# Altium PCB MP_PCBv2.PcbDoc (part 1 of 2) (continued)
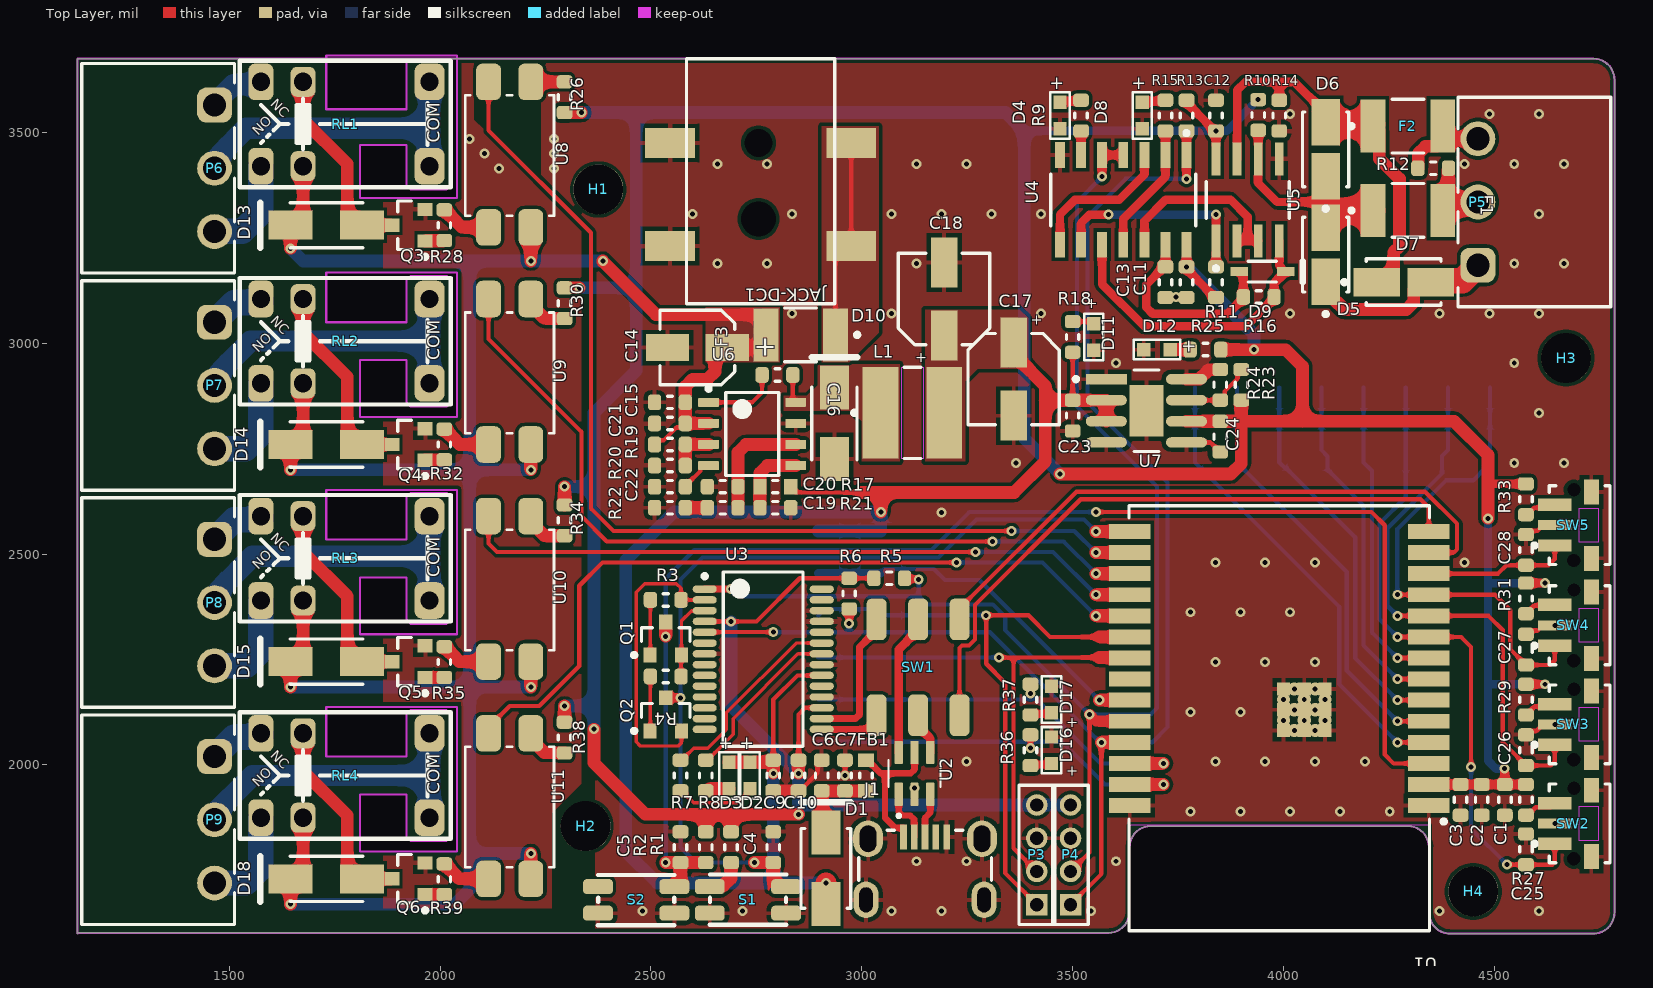
[diagram p0: Top Layer view]
## Part data
C1 C6 C24: library part CMP-001-00181-3, "CAP, size 0603, 10 uF, 10 VDC, 10%", Case/Package=0603, LCSC Part #=C19702, Manufacturer="Samsung Electro-Mechanics", Manufacturer Part Number=CL10A106KP8NNNC, Operating Temperature Max="+ 85 C", Operating Temperature Min="- 40 C", Supplier 1 Part Number=187-CL10A106KP8NNNC, Supplier 2 Part Number=1276-1192-2-ND, Supplier 3 Part Number=N/A, Tolerance=10%, Voltage Rating DC="10 VDC", Component Type=Standard, ComponentLink1Description=Datasheet, ComponentLink1URL=https://www.mouser.vn/datasheet/2/585/MLCC-1837944.pdf, Design Item ID=0106031061010, Mount=SMD/SMT, Packaging="Tape and Reel", Pins=2, Source=Capacitor_0603_10_percent.SchLib, Supplier 1 URL=https://www.mouser.vn/ProductDetail/Samsung-Electro-Mechanics/CL10A106KP8NNNC?qs=X6jEic%2FHinAlyfRHj7fKwg%3D%3D, Supplier 2 URL=https://www.digikey.com/en/products/detail/samsung-electro-mechanics/cl10a106kp8nnnc/3886850, Supplier 3 URL=https://www.thegioiic.com/tu-gom-0603-10uf-25v
C2: library part CMP-001-00177-3, "CAP, size 0603, 1 uF, 16 VDC, 10%", Case/Package=0603, LCSC Part #=C1592, Manufacturer="Samsung Electro-Mechanics", Manufacturer Part Number=CL10B105KO8NNWC, Operating Temperature Max="+ 85 C", Operating Temperature Min="- 40 C", Supplier 1 Part Number=187-CL10B105KO8NNWC, Supplier 2 Part Number=1276-CL10B105KO8NNWCTR-ND, Supplier 3 Part Number=N/A, Tolerance=10%, Voltage Rating DC="16 VDC", Component Type=Standard, ComponentLink1Description=Datasheet, ComponentLink1URL=https://www.mouser.vn/datasheet/2/585/Samsung_MLCC_1837944-1929650.pdf, Design Item ID=0106031051016, Mount=SMD/SMT, Packaging="Tape and Reel", Pins=2, Source=Capacitor_0603_10_percent.SchLib, Supplier 1 URL=https://www.mouser.vn/ProductDetail/Samsung-Electro-Mechanics/CL10B105KO8NNWC?qs=81r%252BiQLm7BT%252BXtc72qn1ug%3D%3D&utm_source=mouser-refine-download&utm_medium=file&utm_campaign=CL10B105KO8NNWC&utm_content=Samsung-Electro-Mechanics, Supplier 2 URL=https://www.digikey.com/en/products/detail/samsung-electro-mechanics/cl10b105ko8nnwc/16572783, Supplier 3 URL=https://www.thegioiic.com/tu-gom-0603-1uf-16v
C3 C4 C5 C7 C9 C10 C11 C12 C15 C16 C25 C26 C27 C28: library part CMP-001-00176-3, "CAP, size 0603, 100 nF, 50 VDC, 10%", Case/Package=0603, LCSC Part #=C14663, Manufacturer=TDK, Manufacturer Part Number=CGA3E3X8R1H104K080AE, Operating Temperature Max="+ 85 C", Operating Temperature Min="- 40 C", Supplier 1 Part Number=810-CGA3E3X8R1H104KA, Supplier 2 Part Number=445-173697-2-ND, Supplier 3 Part Number=N/A, Tolerance=10%, Voltage Rating DC="50 VDC", Component Type=Standard, ComponentLink1Description=Datasheet, ComponentLink1URL=https://product.tdk.com/system/files/dam/doc/product/capacitor/ceramic/mlcc/catalog/mlcc_automotive_soft_en.pdf?ref_disty=mouser, Design Item ID=0106031041050, Mount=SMD/SMT, Packaging="Tape and Reel", Pins=2, Source=Capacitor_0603_10_percent.SchLib, Supplier 1 URL=https://www.mouser.com/ProductDetail/TDK/CGA3E3X8R1H104K080AE?qs=nQSIdc08i%252Bd8g3IRRgU2bw%3D%3D&utm_source=mouser-refine-download&utm_medium=file&utm_campaign=CGA3E3X8R1H104K080AE&utm_content=TDK, Supplier 2 URL=https://www.digikey.com/en/products/detail/tdk-corporation/cga3e3x8r1h104k080ae/5809262, Supplier 3 URL=https://www.thegioiic.com/tu-gom-0603-100nf-0-1uf-50v
C13: library part CMP-001-00171-3, "CAP, size 0603, 100 pF, 50 VDC, 5%", Case/Package=0603, LCSC Part #=N/A, Manufacturer=TDK, Manufacturer Part Number=CGA3E2C0G1H101J080AA, Operating Temperature Max="+ 85 C", Operating Temperature Min="- 40 C", Supplier 1 Part Number=810-CGA3E2C0G1H101J, Supplier 2 Part Number=445-5640-2-ND, Tolerance=5%, Voltage Rating DC="50 VDC", Component Type=Standard, ComponentLink1Description=Datasheet, ComponentLink1URL=https://product.tdk.com/system/files/dam/doc/product/capacitor/ceramic/mlcc/catalog/mlcc_automotive_general_en.pdf?ref_disty=mouser, Design Item ID=0106031010550, Mount=SMD/SMT, Packaging="Tape and Reel", Pins=2, Source=Capacitor_0603_5_percent.SchLib, Supplier 1 URL=https://www.mouser.com/ProductDetail/TDK/CGA3E2C0G1H101J080AA?qs=FxQuwy19cyBF0gUakpLdHA%3D%3D&utm_source=mouser-refine-download&utm_medium=file&utm_campaign=CGA3E2C0G1H101J080AA&utm_content=TDK, Supplier 2 URL=https://www.digikey.com/en/products/detail/tdk-corporation/cga3e2c0g1h101j080aa/2443118, Supplier 3 Part Number=N/A, Supplier 3 URL=N/A
C14: library part CMP-001-00129-2, "V-Chip, D4 x H5.5mm, 22uF, 16V", Capacitance Tolerance=+/-20%, Leakage Current=3.52uA, Manufacturer="Wurth Elektronik", Manufacturer Part Number=N/A, Operating Temperature Max=105°C, Operating Temperature Min=-55°C, Rated Voltage (DC)=16V, Ripple Current=90mA, Category="Aluminum Electrolytic Capacitors", Component Type=Standard, Design Item ID=865080340003, Diameter=4mm, Dissipation Factor=16%, Endurance=2000h, Height=5.5mm, Mount="Surface Mount", Packaging="Tape and Reel", Pins=2, Source=Al_Cap.SchLib, Supplier 1 Name=Mouser, Supplier 1 SN=710-865080340003, Supplier 1 URL=https://www.mouser.com/ProductDetail/Wurth-Elektronik/865080340003?qs=0KOYDY2FL2%252BowmC4S50IuQ%3D%3D, Supplier 2 Name=Digi-Key, Supplier 2 SN=N/A, Supplier 2 URL=N/A, Supplier 3 Name=thegioiic, Supplier 3 SN=N/A, Supplier 3 URL=https://www.thegioiic.com/tu-nhom-smd-22uf-16v-4x5-4mm
C17 C18: library part CMP-001-00130-2, "V-Chip, D5 x H5.5mm, 47uF, 16V", Capacitance Tolerance=+/-20%, Leakage Current=7.52uA, Manufacturer="Wurth Elektronik", Manufacturer Part Number=N/A, Operating Temperature Max=105°C, Operating Temperature Min=-55°C, Rated Voltage (DC)=16V, Ripple Current=195mA, Category="Aluminum Electrolytic Capacitors", Component Type=Standard, Design Item ID=865080342006, Diameter=5mm, Dissipation Factor=16%, Endurance=2000h, Height=5.5mm, Mount="Surface Mount", Packaging="Tape and Reel", Pins=2, Source=Al_Cap.SchLib, Supplier 1 Name=Mouser, Supplier 1 SN=710-865080262015, Supplier 1 URL=https://www.mouser.com/ProductDetail/Wurth-Elektronik/865080262015?qs=0KOYDY2FL2%2Ffe5w2MssUoQ%3D%3D, Supplier 2 Name=Digi-Key, Supplier 2 SN=N/A, Supplier 2 URL=N/A, Supplier 3 Name=thegioiic, Supplier 3 SN=N/A, Supplier 3 URL=https://www.thegioiic.com/tu-nhom-smd-47uf-16v-5x5-4mm
C19: library part CMP-001-00172-3, "CAP, size 0603, 1 nF, 50 VDC, 5%", Case/Package=0603, LCSC Part #=N/A, Manufacturer=TDK, Manufacturer Part Number=CGA3E2NP01H102J080AA, Operating Temperature Max="+ 85 C", Operating Temperature Min="- 40 C", Supplier 1 Part Number=810-CGA3E2NP01H102JA, Supplier 2 Part Number=445-12385-2-ND, Tolerance=5%, Voltage Rating DC="50 VDC", Component Type=Standard, ComponentLink1Description=Datasheet, ComponentLink1URL=https://product.tdk.com/system/files/dam/doc/product/capacitor/ceramic/mlcc/catalog/mlcc_automotive_hightemp_en.pdf?ref_disty=mouser, Design Item ID=0106031020550, Mount=SMD/SMT, Packaging="Tape and Reel", Pins=2, Source=Capacitor_0603_5_percent.SchLib, Supplier 1 URL=https://www.mouser.com/ProductDetail/TDK/CGA3E2NP01H102J080AA?qs=xLDY6iXSiQaozl9q8leaqQ%3D%3D&utm_source=mouser-refine-download&utm_medium=file&utm_campaign=CGA3E2NP01H102J080AA&utm_content=TDK, Supplier 2 URL=https://www.digikey.com/en/products/detail/tdk-corporation/cga3e2np01h102j080aa/3949621, Supplier 3 Part Number=N/A, Supplier 3 URL=N/A
C20: library part CMP-001-00209-3, "CAP, size 0603, 47 nF, 50 VDC, 10%", Case/Package=0603, LCSC Part #=N/A, Manufacturer=TDK, Manufacturer Part Number=CGA3E2X7R1H473K080AA, Operating Temperature Max="+ 85 C", Operating Temperature Min="- 40 C", Supplier 1 Part Number=810-CGA3E2X7R1H473K, Supplier 2 Part Number=445-5664-2-ND, Tolerance=10%, Voltage Rating DC="50 VDC", Component Type=Standard, ComponentLink1Description=Datasheet, ComponentLink1URL=https://product.tdk.com/system/files/dam/doc/product/capacitor/ceramic/mlcc/catalog/mlcc_automotive_general_en.pdf?ref_disty=mouser, Design Item ID=0106034731050, Mount=SMD/SMT, Packaging="Tape and Reel", Pins=2, Source=Capacitor_0603_10_percent.SchLib, Supplier 1 URL=https://www.mouser.com/ProductDetail/TDK/CGA3E2X7R1H473K080AA?qs=NRhsANhppD%252BXNlr9LoLgTw%3D%3D&utm_source=mouser-refine-download&utm_medium=file&utm_campaign=CGA3E2X7R1H473K080AA&utm_content=TDK, Supplier 2 URL=https://www.digikey.com/en/products/detail/tdk-corporation/cga3e2x7r1h473k080aa/2443142, Supplier 3 Part Number=N/A, Supplier 3 URL=N/A
C21 C22: library part CMP-001-00174-3, "CAP, size 0603, 10 nF, 50 VDC, 5%", Case/Package=0603, LCSC Part #=N/A, Manufacturer=TDK, Manufacturer Part Number=CGA3E2C0G1H103J080AE, Operating Temperature Max="+ 85 C", Operating Temperature Min="- 40 C", Supplier 1 Part Number=810-CGA3E2C0G1H103J8, Supplier 2 Part Number=445-CGA3E2C0G1H103J080AETR-ND, Tolerance=5%, Voltage Rating DC="50 VDC", Component Type=Standard, ComponentLink1Description=Datasheet, ComponentLink1URL=https://product.tdk.com/system/files/dam/doc/product/capacitor/ceramic/mlcc/catalog/mlcc_automotive_soft_en.pdf?ref_disty=mouser, Design Item ID=0106031030550, Mount=SMD/SMT, Packaging="Tape and Reel", Pins=2, Source=Capacitor_0603_5_percent.SchLib, Supplier 1 URL=https://www.mouser.com/ProductDetail/TDK/CGA3E2C0G1H103J080AE?qs=P1JMDcb91o6ZkMITrWTUZQ%3D%3D&utm_source=mouser-refine-download&utm_medium=file&utm_campaign=CGA3E2C0G1H103J080AE&utm_content=TDK, Supplier 2 URL=https://www.digikey.com/en/products/detail/tdk-corporation/cga3e2c0g1h103j080ae/11697946, Supplier 3 Part Number=N/A, Supplier 3 URL=N/A
C23: library part CMP-001-00178-3, "CAP, size 0603, 1 uF, 25 VDC, 10%", Case/Package=0603, LCSC Part #=N/A, Manufacturer="Samsung Electro-Mechanics", Manufacturer Part Number=CL10A105KA8NNNC, Operating Temperature Max="+ 85 C", Operating Temperature Min="- 40 C", Supplier 1 Part Number=187-CL10A105KA8NNNC, Supplier 2 Part Number=1276-1102-2-ND, Tolerance=10%, Voltage Rating DC="25 VDC", Component Type=Standard, ComponentLink1Description=Datasheet, ComponentLink1URL=https://www.mouser.vn/datasheet/2/585/MLCC-1837944.pdf, Design Item ID=0106031051025, Mount=SMD/SMT, Packaging="Tape and Reel", Pins=2, Source=Capacitor_0603_10_percent.SchLib, Supplier 1 URL=https://www.mouser.vn/ProductDetail/Samsung-Electro-Mechanics/CL10A105KA8NNNC?qs=hqM3L16%252BxldY%252BnK4KzDJVg%3D%3D&utm_source=mouser-refine-download&utm_medium=file&utm_campaign=CL10A105KA8NNNC&utm_content=Samsung-Electro-Mechanics, Supplier 2 URL=https://www.digikey.com/en/products/detail/samsung-electro-mechanics/cl10a105ka8nnnc/3886760, Supplier 3 Part Number=N/A, Supplier 3 URL=https://www.thegioiic.com/tu-gom-0603-1uf-25v
D1: library part CMP-004-00058-1, "Rectifier Diode, Schottky, 1 Phase, 1 Element, 3A, 1KV, Silicon", Forward Voltage=475mV, Max Operating Temperature=125°C, Pins=2, RoHS Compliant=Yes
D2 D3: library part CMP-004-00040-2, "WL-SMCW SMT Mono-color Chip LED Waterclear, size 0603, White", Color=White, Component Type=Standard, ComponentLink1Description="Datasheet link", ComponentLink1URL=N/A, ComponentLink2Description="Supplier 1 URL", ComponentLink2URL=https://www.mouser.vn/ProductDetail/ROHM-Semiconductor/SMLA12WBN7W1?qs=TCDPyi3sCW1efPV6dhaUAA%3D%3D, ComponentLink3Description="Supplier 2 URL", ComponentLink3URL=https://www.digikey.com/en/products/detail/inolux/IN-S63AT5UW/7604931, ComponentLink4Description="Supplier 3 URL", ComponentLink4URL=https://www.thegioiic.com/led-trang-0603-dan-smd-trong-suot, Design Item ID=160603WhiteClear, Pins=2, Size=0603, Source=WL-SMCW_0603.SchLib, Supplier 1 Name=Mouser, Supplier 1 SN=755-SMLA12WBN7W1, Supplier 1 URL=https://www.mouser.vn/ProductDetail/ROHM-Semiconductor/SMLA12WBN7W1?qs=TCDPyi3sCW1efPV6dhaUAA%3D%3D, Supplier 2 Name=Digi-Key, Supplier 2 SN=1830-1063-2-ND, Supplier 2 URL=https://www.digikey.com/en/products/detail/inolux/IN-S63AT5UW/7604931, Supplier 3 Name=ICDayRoi, Supplier 3 SN=N/A, Supplier 3 URL=https://www.thegioiic.com/led-trang-0603-dan-smd-trong-suot, Type=Clear
D4 D8: library part CMP-004-00039-2, "WL-SMCW SMT Mono-color Chip LED Blur, size 0603, White", Color=White, Component Type=Standard, ComponentLink1Description="Datasheet link", ComponentLink1URL=N/A, ComponentLink2Description="Supplier 1 URL", ComponentLink2URL=https://www.mouser.vn/ProductDetail/ROHM-Semiconductor/SMLEN3WBC8W1?qs=W0yvOO0ixfGun78rr9Unsw%3D%3D, ComponentLink3Description="Supplier 2 URL", ComponentLink3URL=https://www.digikey.com/en/products/detail/qt-brightek-qtb/QBLP601-IW/4814655, ComponentLink4Description="Supplier 3 URL", ComponentLink4URL=N/A, Design Item ID=160603WhiteBlur, Pins=2, Size=0603, Source=WL-SMCW_0603.SchLib, Supplier 1 Name=Mouser, Supplier 1 SN=755-SMLEN3WBC8W1, Supplier 1 URL=https://www.mouser.vn/ProductDetail/ROHM-Semiconductor/SMLEN3WBC8W1?qs=W0yvOO0ixfGun78rr9Unsw%3D%3D, Supplier 2 Name=Digi-Key, Supplier 2 SN=1516-1057-2-ND, Supplier 2 URL=https://www.digikey.com/en/products/detail/qt-brightek-qtb/QBLP601-IW/4814655, Supplier 3 Name=ICDayRoi, Supplier 3 SN=N/A, Supplier 3 URL=N/A, Type=Blur
D5 D6 D7: library part CMP-004-00057-2, "Trans Voltage Suppressor Diode, 400W, 6V V(RWM), Bidirectional, 1 Element, Silicon, DO-214AC", Max Operating Temperature=150°C, Min Operating Temperature=-55°C, Pins=2, RoHS Compliant=Yes
D9: library part CMP-004-00001-3, "Small Signal Diode, 75 V, 0.15 A, -55 to 150 degC, 2-Pin SOD-323, RoHS, Tape and Reel", Capacitance=-323f, Case/Package=SOD-323, Forward Current=150mA, Forward Voltage=1V, Manufacturer=Fairchild, Max Operating Temperature=150°C, Min Operating Temperature=-55°C, Package Description="2-Pin Small Outline Diode Flat Lead, Body 1.7 x 1.25 mm", Package Quantity=3000, Peak Reverse Current=5uA, Datasheet URL=https://www.fairchildsemi.com/datasheets/1N/1N4148WS.pdf, Datasheet Version="Rev. 1.2, 03/2015", Manufacturer URL=https://www.fairchildsemi.com/, Mounting Technology=SM, Package Reference=SOD-323, Packaging=TapeandReel, Pins=2, Recovery Time=4ns, RoHS Compliant=True
D10: library part CMP-004-00016-3, "Schottky Rectifier, 20 V, 1 A, -65 to 125 degC, 2-Pin DO-214AC, RoHS, Tape and Reel", Case/Package=SMA, Forward Voltage=500mV, Manufacturer=Fairchild, Max Operating Temperature=125°C, Max Surge Current=40A, Min Operating Temperature=-65°C, Package Description="2-Pin Surface Mount Device, Body 4.375 x 2.725 mm", Package Quantity=7500, Package Reference=DO-214AC-2, Peak Reverse Current=200uA, Datasheet URL=https://www.fairchildsemi.com/datasheets/SS/SS12.pdf, Datasheet Version="Rev. 1.9, 01/2015", Manufacturer URL=https://www.fairchildsemi.com/, Mounting Technology=SM, Package URL=https://www.fairchildsemi.com/package-drawings/DO/DO214AC.pdf, Packaging=TapeandReel, Pins=2, RoHS Compliant=True
D11 D12: library part CMP-004-00034-2, "WL-SMCW SMT Mono-color Chip LED Waterclear, size 0603, Green, 3.2V, 140deg", Color=Green, Component Type=Standard, ComponentLink1Description="Datasheet link", ComponentLink1URL=N/A, ComponentLink2Description="Supplier 1 URL", ComponentLink2URL=https://www.mouser.vn/ProductDetail/Wurth-Elektronik/150060GS75000?qs=LlUlMxKIyB0UYkq5lDO8nA%3D%3D, ComponentLink3Description="Supplier 2 URL", ComponentLink3URL=https://www.digikey.com/en/products/detail/liteon/LTST-C191KGKT/386835, ComponentLink4Description="Supplier 3 URL", ComponentLink4URL=https://www.thegioiic.com/led-xanh-la-0603-dan-smd-trong-suot, Design Item ID=160603GreenClear, Pins=2, Size=0603, Source=WL-SMCW_0603.SchLib, Supplier 1 Name=Mouser, Supplier 1 SN=710-150060GS75000, Supplier 1 URL=https://www.mouser.vn/ProductDetail/Wurth-Elektronik/150060GS75000?qs=LlUlMxKIyB0UYkq5lDO8nA%3D%3D, Supplier 2 Name=Digi-Key, Supplier 2 SN=160-1446-2-ND, Supplier 2 URL=https://www.digikey.com/en/products/detail/liteon/LTST-C191KGKT/386835, Supplier 3 Name=ICDayRoi, Supplier 3 SN=N/A, Supplier 3 URL=https://www.thegioiic.com/led-xanh-la-0603-dan-smd-trong-suot, Type=Clear
D13 D14 D15 D18: library part CMP-004-00056-1, "Rectifier Diode, Schottky, 1 Phase, 1 Element, 1.5A, 100V V(RRM), Silicon, DO-214AA", Forward Voltage=430mV, Max Operating Temperature=150°C, Min Operating Temperature=-55°C, Pins=2, RoHS Compliant=Yes
D16: library part CMP-004-00038-2, "WL-SMCW SMT Mono-color Chip LED Waterclear, size 0603, Red, 2V, 140deg", Color=Red, Component Type=Standard, ComponentLink1Description="Datasheet link", ComponentLink1URL=N/A, ComponentLink2Description="Supplier 1 URL", ComponentLink2URL=https://www.mouser.vn/ProductDetail/Wurth-Elektronik/150060RS75000?qs=LlUlMxKIyB3QnmZ3fw%2FVCA%3D%3D, ComponentLink3Description="Supplier 2 URL", ComponentLink3URL=https://www.digikey.com/en/products/detail/liteon/LTST-C191KRKT/386837, ComponentLink4Description="Supplier 3 URL", ComponentLink4URL=https://www.thegioiic.com/led-do-0603-dan-smd-trong-suot, Design Item ID=160603RedClear, Pins=2, Size=0603, Source=WL-SMCW_0603.SchLib, Supplier 1 Name=Mouser, Supplier 1 SN=710-150060RS75000, Supplier 1 URL=https://www.mouser.vn/ProductDetail/Wurth-Elektronik/150060RS75000?qs=LlUlMxKIyB3QnmZ3fw%2FVCA%3D%3D, Supplier 2 Name=Digi-Key, Supplier 2 SN=160-1447-2-ND, Supplier 2 URL=https://www.digikey.com/en/products/detail/liteon/LTST-C191KRKT/386837, Supplier 3 Name=ICDayRoi, Supplier 3 SN=N/A, Supplier 3 URL=https://www.thegioiic.com/led-do-0603-dan-smd-trong-suot, Type=Clear
D17: library part CMP-004-00032-2, "WL-SMCW SMT Mono-color Chip LED Waterclear, size 0603, Blue, 3.2V, 140deg", Color=Blue, Component Type=Standard, ComponentLink1Description="Datasheet link", ComponentLink1URL=N/A, ComponentLink2Description="Supplier 1 URL", ComponentLink2URL=https://www.mouser.vn/ProductDetail/Wurth-Elektronik/150060BS75003?qs=Li%252BoUPsLEnu8LvIbM48DKA%3D%3D, ComponentLink3Description="Supplier 2 URL", ComponentLink3URL=https://www.digikey.com/en/products/detail/liteon/LTST-C191TBKT/388530, ComponentLink4Description="Supplier 3 URL", ComponentLink4URL=https://www.thegioiic.com/led-xanh-duong-0603-dan-smd-trong-suot, Design Item ID=160603BlueClear, Pins=2, Size=0603, Source=WL-SMCW_0603.SchLib, Supplier 1 Name=Mouser, Supplier 1 SN=710-150060GS75000, Supplier 1 URL=https://www.mouser.vn/ProductDetail/Wurth-Elektronik/150060BS75003?qs=Li%252BoUPsLEnu8LvIbM48DKA%3D%3D, Supplier 2 Name=Digi-Key, Supplier 2 SN=160-1647-2-ND, Supplier 2 URL=https://www.digikey.com/en/products/detail/liteon/LTST-C191TBKT/388530, Supplier 3 Name=ICDayRoi, Supplier 3 SN=N/A, Supplier 3 URL=https://www.thegioiic.com/led-xanh-duong-0603-dan-smd-trong-suot, Type=Clear
F1 F2 F3: library part CMP-005-00000-5, "PTC Resettable Fuse, 15 V, 500 mA, -40 to 85 degC, 2-Pin SMD, RoHS, Tape and Reel", Case/Package=MF-MSMF050-2, Current Rating=100A, Manufacturer=Bourns, Max Operating Temperature=85°C, Min Operating Temperature=-40°C, Package Description="2-Pin Surface Mount Device, Body 4.55 x 3.24 mm", Datasheet URL=http://www.bourns.com/data/global/pdfs/mfmsmf.pdf, Datasheet Version="Rev. AG, 08/2016", Mounting Technology=SM, Package Reference=MF-MSMF050-2, Packaging=TapeandReel, RoHS Compliant=False
FB1: library part CMP-006-00022-1, "0603 600Ω ±25% DCR=0.5Ω 0.2A"
H1 H2 H3 H4: library part CMP-034-000004-2, Component Type="Standard (No BOM)", Design Item ID="Tooling Hole 3mm", Pin Count=0, Source=Hole.SchLib
J1: library part CMP-002-00305-5, "Micro USB 2.0 Type B Receptacle WR-COM, Horizontal, SMT, with Pegs, High Current at Pin 1 & Pin 5"
JACK-DC1: library part CMP-002-00071-2, "DinxDout 2.1mm-55mm Jack Power DC Receptacle", Max Current Rating=2.5A, Voltage Rating=16V, Case/Package=DC050, Connector Type=DCJack, Gender=Female, Mounting Technology=SMT, Pins=3, RoHS Compliant=Yes
L1: library part CMP-006-00021-3, "General Purpose Inductor", RoHS Compliant=Yes
MD1: library part CMP-021-00011-2
P1: library part CMP-002-01370-2
P3 P4: library part CMP-002-01189-1, "WR-PHD Pin Header, THT, pitch 2mm, Single Row, Vertical, 4p", Contact Resistance=20mOhm, LCSC Part #=N/A, Manufacturer="Wurth Elektronik", Operating Temperature Max="+ 105 C", Operating Temperature Min="- 40 C", Rated Current=2A, Withstanding Voltage=500VAC, Working Voltage=200VAC, Component Type=Standard, ComponentLink1Description=Datasheet, ComponentLink1URL=https://www.we-online.com/catalog/datasheet/62000411121.pdf, Design Item ID=62000411121, Gender="Pin Header", Manufacturer Part Number=62000411121, Mount=THT, Orientation=Vertical, Packaging=Bag, Pin Number=4, Pins=4, Pitch=2mm, Row Number=Single, Source="WR-PHD_Pin Header_2.00mm.SchLib", Supplier 1 Part Number=N/A, Supplier 1 URL=N/A, Supplier 2 Part Number=N/A, Supplier 2 URL=N/A, Supplier 3 Part Number=N/A, Supplier 3 URL=N/A
P5 P6 P7 P8 P9: library part CMP-002-00338-1, "WR-TBL Series 322 Horizontal PCB Header, THT, pitch 3.81mm, 3p", Manufacturer="Wurth Elektronik", Operating Temperature Max=105°C, Operating Temperature Min=-40°C, Rated Current=10A, Supplier 1 Part Number=N/A, Working Voltage=300V, Application=Pluggable, Category="Terminal Blocks", Component Type=Standard, ComponentLink1Description=Datasheet, ComponentLink1URL=https://www.we-online.com/redexpert/spec/691322310003?ad, Design Item ID=691322310003, Manufacturer Part Number=691322310003, Match Code=WR-TBL, Modularity=No, Mount="Through Hole", Number of Rows=1, Orientation=Horizontal, Packaging=Box, Pin Count=3, Pins=3, Pitch=3.81mm, Source=Terminal_Blocks_Pluggable_3.81mm.SchLib, Supplier 1 URL=N/A, Supplier 2 Part Number=N/A, Supplier 2 URL=N/A, Supplier 3 Part Number=N/A, Supplier 3 URL=https://www.thegioiic.com/ul-3-81-3-r-terminal-block-plug-in-han-pcb-3-chan-cong-3-81mm-300v-10a-ulo
Q1 Q2: library part CMP-013-00035-2, "Small Signal Bipolar Transistor, 0.5A I(C), 45V V(BR)CEO, 1-Element, NPN, Silicon, TO-236", Frequency=100MHz, Max Operating Temperature=150°C, Pins=3, RoHS Compliant=Yes
Q3 Q4 Q5 Q6: library part CMP-013-00034-2, "Small Signal Bipolar Transistor, 0.5A I(C), 300V V(BR)CEO, 1-Element, NPN, Silicon, TO-236AB", Frequency=50MHz, Max Operating Temperature=150°C, Pins=3, RoHS Compliant=Yes
R1 R2 R3 R4 R5 R6: library part CMP-009-00187-5, "RES, size 0603, 10 KOhm, 1/10 W, 1%", Case/Package=0603, LCSC Part #=C98220, Manufacturer=YAGEO, Manufacturer Part Number=RC0603FR-0710KL, Operating Temperature Max="+ 85 C", Operating Temperature Min="- 40 C", Rated Power="1/10 W", Supplier 1 Part Number=N/A, Supplier 2 Part Number=311-10.0KHRTR-ND, Tolerance=1%, Component Type=Standard, ComponentLink1Description=Datasheet, ComponentLink1URL=https://fscdn.rohm.com/en/products/databook/datasheet/passive/resistor/chip_resistor/esr-e.pdf, Design Item ID=0006031031, Mount=SMD/SMT, Packaging="Tape and Reel", Pins=2, Source=Resistor_0603.SchLib, Supplier 1 URL=N/A, Supplier 2 URL=https://www.digikey.com/en/products/detail/yageo/rc0603fr-0710kl/726880, Supplier 3 Part Number=N/A, Supplier 3 URL=N/A
R7 R8: library part CMP-009-00185-5, "RES, size 0603, 1 KOhm, 1/10 W, 1%", Case/Package=0603, LCSC Part #=C22548, Manufacturer=YAGEO, Manufacturer Part Number=RC0603FR-071KL, Operating Temperature Max="+ 85 C", Operating Temperature Min="- 40 C", Rated Power="1/10 W", Supplier 1 Part Number=603-RC0603FR-071KL, Supplier 2 Part Number=311-1.00KHRTR-ND, Supplier 3 Part Number=N/A, Tolerance=1%, Component Type=Standard, ComponentLink1Description=Datasheet, ComponentLink1URL=https://www.yageo.com/upload/media/product/productsearch/datasheet/rchip/PYu-SR_20105_RoHS_L_10.pdf, Design Item ID=0006031021, Mount=SMD/SMT, Packaging="Tape and Reel", Pins=2, Source=Resistor_0603.SchLib, Supplier 1 URL=https://www.mouser.vn/ProductDetail/YAGEO/RC0603FR-071KL?qs=VU8sRB4EgwApHsk4rF%2F3zg%3D%3D, Supplier 2 URL=https://www.digikey.com/en/products/detail/yageo/rc0603fr-071kl/726843, Supplier 3 URL=N/A
R9 R15 R18 R36: library part CMP-009-00362-5, "RES, size 0603, 5.6 KOhm, 1/10 W, 1%", Case/Package=0603, LCSC Part #=N/A, Manufacturer=OEM, Operating Temperature Max="+ 85 C", Operating Temperature Min="- 40 C", Rated Power="1/10 W", Supplier 1 Part Number=667-ERJ-UP3F5601V, Supplier 2 Part Number="10-ERJ-UP3F5601VTR-ND 10-ERJ-UP3F5601VCT-ND 10-ERJ-UP3F5601VDKR-ND", Tolerance=1%, Component Type=Standard, ComponentLink1Description=Datasheet, ComponentLink1URL=https://api.pim.na.industrial.panasonic.com/file_stream/main/fileversion/4484, Design Item ID=0006035621, Manufacturer Part Number=OEM, Mount=SMD/SMT, Packaging="Tape and Reel", Pins=2, Source=Resistor_0603.SchLib, Supplier 1 URL=https://www.mouser.vn/ProductDetail/Panasonic/ERJ-UP3F5601V?qs=sGAEpiMZZMvdGkrng054twq3eZrCFN89ezYxgAsnxBTZYD17cS%252B65A%3D%3D, Supplier 2 URL=https://www.digikey.com/en/products/detail/panasonic-electronic-components/ERJ-UP3F5601V/12092890, Supplier 3 Part Number=N/A, Supplier 3 URL=N/A
R10 R11 R13 R14 R27 R29 R31 R33 R37: library part CMP-009-00346-5, "RES, size 0603, 4.7 kOhm, 1/10 W, 1%", Case/Package=0603, LCSC Part #=C99782, Manufacturer=YAGEO, Manufacturer Part Number=RC0603FR-074K7L, Operating Temperature Max="+ 85 C", Operating Temperature Min="- 40 C", Rated Power="1/10 W", Supplier 1 Part Number=603-RC0603FR-074K7L, Supplier 2 Part Number=N/A, Tolerance=1%, Component Type=Standard, ComponentLink1Description=Datasheet, ComponentLink1URL=https://www.mouser.vn/datasheet/2/447/YAGEO_PYu_RC_Group_51_RoHS_L_12-3313492.pdf, Design Item ID=0006034721, Mount=SMD/SMT, Packaging="Tape and Reel", Pins=2, Source=Resistor_0603.SchLib, Supplier 1 URL=https://www.mouser.vn/ProductDetail/YAGEO/RC0603FR-074K7L?qs=gt6vzsuosg37y0l7Vt36bQ%3D%3D, Supplier 2 URL=N/A, Supplier 3 Part Number=N/A, Supplier 3 URL=N/A
R12: library part CMP-009-00207-5, "RES, size 0603, 120 Ohm, 1/10 W, 5%", Case/Package=0603, LCSC Part #=N/A, Manufacturer=Panasonic, Manufacturer Part Number=ERJ-PA3J121V, Operating Temperature Max="+ 85 C", Operating Temperature Min="- 40 C", Rated Power="1/10 W", Supplier 1 Part Number=667-ERJ-PA3J121V, Supplier 2 Part Number="P120BZTR-ND - Tape & Reel (TR)", Tolerance=5%, Component Type=Standard, ComponentLink1Description=Datasheet, ComponentLink1URL=https://www.mouser.vn/datasheet/2/315/AOA0000C331-1141874.pdf, Design Item ID=0006031215, Mount=SMD/SMT, Packaging="Tape and Reel", Pins=2, Source=Resistor_0603.SchLib, Supplier 1 URL=https://www.mouser.vn/ProductDetail/Panasonic/ERJ-PA3J121V?qs=BzJM0faLVqUskHAfNBlRjA%3D%3D, Supplier 2 URL=https://www.digikey.com/en/products/detail/panasonic-electronic-components/ERJ-PA3J121V/5035980?s=N4IgTCBcDaIGxwOwFoCiAlAUsgCgQQGZMBGMYgNRAF0BfIA, Supplier 3 Part Number=N/A, Supplier 3 URL=https://www.thegioiic.com/dien-tro-120-ohm-0603-5
R16: library part CMP-009-00365-5, "RES, size 0603, 58 KOhm, 1/10 W, 5%", Case/Package=0603, LCSC Part #=N/A, Manufacturer=OEM, Operating Temperature Max="+ 85 C", Operating Temperature Min="- 40 C", Rated Power="1/10 W", Tolerance=5%, Component Type=Standard, ComponentLink1Description=Datasheet, ComponentLink1URL=N/A, Design Item ID=0006035835, Manufacturer Part Number=OEM, Mount=SMD/SMT, Packaging="Tape and Reel", Pins=2, Source=Resistor_0603.SchLib, Supplier 1 Part Number=N/A, Supplier 1 URL=N/A, Supplier 2 Part Number=N/A, Supplier 2 URL=N/A, Supplier 3 Part Number=N/A, Supplier 3 URL=N/A
R17: library part CMP-009-00673-2, "RES, size 0603, 8.2 KOhm, 1/10 W, 1%", Case/Package=0603, Mounting Technology=SMT, Pins=2
R19: library part CMP-009-00188-5, "RES, size 0603, 100 KOhm, 1/10 W, 1%", Case/Package=0603, LCSC Part #=N/A, Manufacturer=OEM, Operating Temperature Max="+ 85 C", Operating Temperature Min="- 40 C", Rated Power="1/10 W", Supplier 1 Part Number=603-SR0603FR-7T100KL, Supplier 2 Part Number="YAG5821TR-ND YAG5821CT-ND YAG5821DKR-ND", Tolerance=1%, Component Type=Standard, ComponentLink1Description=Datasheet, ComponentLink1URL=https://www.yageo.com/upload/media/product/productsearch/datasheet/rchip/PYu-SR_20105_RoHS_L_10.pdf, Design Item ID=0006031041, Manufacturer Part Number=OEM, Mount=SMD/SMT, Packaging="Tape and Reel", Pins=2, Source=Resistor_0603.SchLib, Supplier 1 URL=https://www.mouser.vn/ProductDetail/YAGEO/SR0603FR-7T100KL?qs=sGAEpiMZZMvdGkrng054tz1y1XEHv7sNa%252BA%2F4WiDMf7aGw4zRBb%2FFQ%3D%3D, Supplier 2 URL=https://www.digikey.com/en/products/detail/yageo/SR0603FR-7T100KL/9373095, Supplier 3 Part Number=N/A, Supplier 3 URL=N/A
R20: library part CMP-009-00266-5, "RES, size 0603, 20 KOhm, 1/10 W, 1%", Case/Package=0603, LCSC Part #=C105575, Manufacturer=YAGEO, Manufacturer Part Number=RC0603FR-0720KL, Operating Temperature Max="+ 85 C", Operating Temperature Min="- 40 C", Rated Power="1/10 W", Supplier 1 Part Number=603-RC0603FR-0720KL, Supplier 2 Part Number=311-20.0KHRTR-ND, Supplier 3 Part Number=N/A, Tolerance=1%, Component Type=Standard, ComponentLink1Description=Datasheet, ComponentLink1URL=https://www.mouser.com/datasheet/2/447/YAGEO_PYu_RC_Group_51_RoHS_L_12-3313492.pdf, Design Item ID=0006032031, Mount=SMD/SMT, Packaging="Tape and Reel", Pins=2, Source=Resistor_0603.SchLib, Supplier 1 URL=https://www.mouser.com/ProductDetail/YAGEO/RC0603FR-0720KL?qs=VU8sRB4EgwCsxfrjtEIKPQ%3D%3D, Supplier 2 URL=https://www.digikey.com/en/products/detail/yageo/RC0603FR-0720KL/727040?s=N4IgTCBcDaIEoGEAMA2JBmAYnAtEg7GEgNIAyIAugL5A, Supplier 3 URL=N/A
R21: library part CMP-009-00234-5, "RES, size 0603, 1.5 KOhm, 1/10 W, 1%", Case/Package=0603, LCSC Part #=N/A, Manufacturer=OEM, Operating Temperature Max="+ 85 C", Operating Temperature Min="- 40 C", Rated Power="1/10 W", Supplier 1 Part Number=755-SFR03EZPF1501, Supplier 2 Part Number=13-RC0603FR-071R5LTR-ND, Tolerance=1%, Component Type=Standard, ComponentLink1Description=Datasheet, ComponentLink1URL=N/A, Design Item ID=0006031521, Manufacturer Part Number=OEM, Mount=SMD/SMT, Packaging="Tape and Reel", Pins=2, Source=Resistor_0603.SchLib, Supplier 1 URL=https://www.mouser.vn/ProductDetail/ROHM-Semiconductor/SFR03EZPF1501?qs=byeeYqUIh0NryWvnzlukLQ%3D%3D, Supplier 2 URL=https://www.digikey.com/en/products/detail/yageo/RC0603FR-071R5L/5918292, Supplier 3 Part Number=N/A, Supplier 3 URL=N/A
R22: library part CMP-009-00329-5, "RES, size 0603, 38 KOhm, 1/10 W, 5%", Case/Package=0603, LCSC Part #=N/A, Manufacturer=OEM, Operating Temperature Max="+ 85 C", Operating Temperature Min="- 40 C", Rated Power="1/10 W", Tolerance=5%, Component Type=Standard, ComponentLink1Description=Datasheet, ComponentLink1URL=N/A, Design Item ID=0006033835, Manufacturer Part Number=OEM, Mount=SMD/SMT, Packaging="Tape and Reel", Pins=2, Source=Resistor_0603.SchLib, Supplier 1 Part Number=N/A, Supplier 1 URL=N/A, Supplier 2 Part Number=N/A, Supplier 2 URL=N/A, Supplier 3 Part Number=N/A, Supplier 3 URL=N/A
R23: library part CMP-009-00236-5, "RES, size 0603, 150 KOhm, 1/10 W, 1%", Case/Package=0603, LCSC Part #=N/A, Manufacturer=OEM, Operating Temperature Max="+ 85 C", Operating Temperature Min="- 40 C", Rated Power="1/10 W", Supplier 1 Part Number=71-RCS0603150KFKEA, Supplier 2 Part Number="541-RCS0603150KFKEATR-ND 541-RCS0603150KFKEACT-ND 541-RCS0603150KFKEADKR-ND", Tolerance=1%, Component Type=Standard, ComponentLink1Description=Datasheet, ComponentLink1URL=https://www.vishay.com/docs/20065/rcse3.pdf, Design Item ID=0006031541, Manufacturer Part Number=OEM, Mount=SMD/SMT, Packaging="Tape and Reel", Pins=2, Source=Resistor_0603.SchLib, Supplier 1 URL=https://www.mouser.vn/ProductDetail/Vishay-Dale/RCS0603150KFKEA?qs=sGAEpiMZZMvdGkrng054t9clqp6gtJJdfH%252BXqq0SHQPcFX9vWgSfoA%3D%3D, Supplier 2 URL=https://www.digikey.com/en/products/detail/vishay-dale/RCS0603150KFKEA/5868719, Supplier 3 Part Number=N/A, Supplier 3 URL=N/A
R24: library part CMP-009-00300-5, "RES, size 0603, 28 Ohm, 1/10 W, 1%", Case/Package=0603, LCSC Part #=N/A, Manufacturer=OEM, Operating Temperature Max="+ 85 C", Operating Temperature Min="- 40 C", Rated Power="1/10 W", Supplier 1 Part Number=667-ERJ-PA3F28R0V, Supplier 2 Part Number=10-ERJ-UP3F28R0VTR-ND, Tolerance=1%, Component Type=Standard, ComponentLink1Description=Datasheet, ComponentLink1URL=https://api.pim.na.industrial.panasonic.com/file_stream/main/fileversion/4484, Design Item ID=0006032801, Manufacturer Part Number=OEM, Mount=SMD/SMT, Packaging="Tape and Reel", Pins=2, Source=Resistor_0603.SchLib, Supplier 1 URL=https://www.mouser.vn/ProductDetail/Panasonic/ERJ-PA3F28R0V?qs=sGAEpiMZZMvdGkrng054t6%2FAfIpq60YD5y71hYQ1i3rQySijSHDQhg%3D%3D, Supplier 2 URL=https://www.digikey.com/en/products/detail/panasonic-electronic-components/ERJ-UP3F28R0V/12092047, Supplier 3 Part Number=N/A, Supplier 3 URL=N/A
R25: library part CMP-009-00309-5, "RES, size 0603, 3.1  KOhm, 1/10 W, 1%", Case/Package=0603, LCSC Part #=N/A, Manufacturer=OEM, Operating Temperature Max="+ 85 C", Operating Temperature Min="- 40 C", Rated Power="1/10 W", Supplier 1 Part Number=652-CHP0603FX3011ELF, Supplier 2 Part Number=MCT06030C3101FP500-ND, Tolerance=1%, Component Type=Standard, ComponentLink1Description=Datasheet, ComponentLink1URL=N/A, Design Item ID=0006033121, Manufacturer Part Number=OEM, Mount=SMD/SMT, Packaging="Tape and Reel", Pins=2, Source=Resistor_0603.SchLib, Supplier 1 URL=https://www.mouser.vn/ProductDetail/Bourns/CHP0603-FX-3011ELF?qs=gZXFycFWdAOzN1n7XWkwdg%3D%3D, Supplier 2 URL=https://www.digikey.com/en/products/detail/vishay-beyschlag-draloric-bc-components/MCT06030C3101FP500/8124767, Supplier 3 Part Number=N/A, Supplier 3 URL=N/A
R26 R30 R34 R38: library part CMP-009-00275-5, "RES, size 0603, 220 Ohm, 1/10 W, 1%", Case/Package=0603, LCSC Part #=C107696, Manufacturer=YAGEO, Manufacturer Part Number=RC0603FR-07220RL, Operating Temperature Max="+ 85 C", Operating Temperature Min="- 40 C", Rated Power="1/10 W", Supplier 1 Part Number=603-RC0603FR-07220RL, Supplier 2 Part Number=N/A, Tolerance=1%, Component Type=Standard, ComponentLink1Description=Datasheet, ComponentLink1URL=https://www.mouser.vn/datasheet/2/447/YAGEO_PYu_RC_Group_51_RoHS_L_12-3313492.pdf, Design Item ID=0006032211, Mount=SMD/SMT, Packaging="Tape and Reel", Pins=2, Source=Resistor_0603.SchLib, Supplier 1 URL=https://www.mouser.vn/ProductDetail/YAGEO/RC0603FR-07220RL?qs=VU8sRB4EgwA1IyQ0vhXEEw%3D%3D, Supplier 2 URL=N/A, Supplier 3 Part Number=N/A, Supplier 3 URL=N/A
R28 R32 R35 R39: library part CMP-009-00277-5, "RES, size 0603, 2.2  KOhm, 1/10 W, 1%", Case/Package=0603, LCSC Part #=N/A, Manufacturer=OEM, Operating Temperature Max="+ 85 C", Operating Temperature Min="- 40 C", Rated Power="1/10 W", Supplier 1 Part Number=603-SR0603FR-7T2K2L, Supplier 2 Part Number=13-RC0603FR-132K2LTR-ND, Tolerance=1%, Component Type=Standard, ComponentLink1Description=Datasheet, ComponentLink1URL=N/A, Design Item ID=0006032221, Manufacturer Part Number=OEM, Mount=SMD/SMT, Packaging="Tape and Reel", Pins=2, Source=Resistor_0603.SchLib, Supplier 1 URL=https://www.mouser.vn/ProductDetail/YAGEO/SR0603FR-7T2K2L?qs=pfd5qewlna6SQQIuviAJZA%3D%3D, Supplier 2 URL=https://www.digikey.com/en/products/detail/yageo/RC0603FR-132K2L/13694214, Supplier 3 Part Number=N/A, Supplier 3 URL=N/A
RL1 RL2 RL3 RL4: library part CMP-008-00006-2, "Power/Signal Relay, 1 Form C, SPDT, Momentary, 0.0125A (Coil), 18VDC (Coil), 150mW (Coil), 2A (Contact), 60VDC (Contact), DC Input, AC/DC Output, Through Hole-Straight Mount", Coil Current(DC)-Max=13mA, Coil Operate Voltage(DC)=9.6V, Coil Power=150mW, Coil Release Voltage(DC)=1.2V, Coil Resistance=960R, Coil Voltage(DC)-Max=12V, Contact AC Max Rating R Load=2A@125VAC, Contact Current(AC)-Max=2A, Contact DC Max Rating R Load=2A@60VDC, Contact Voltage(AC)-Max=125V, Contact Voltage(DC)-Max=60V, Max Operating Temperature=70°C, Min Operating Temperature=-40°C, Body Breadth=7.5inch, Body Height=10mm, Body Length or Diameter=12.5mm, Coil/Input Supply Type=DC, Contact Current(DC)-Max=2A, Contact/Output Supply Type=AC/DC, Electrical Life=90000Cycles, Mounting Technology="Through Hole", Operate Time=5ms, Reach SVHC Compliant=Yes, Reference Standard=UL, Relay Action=MOMENTARY, Relay Function=SPDT, Relay Type="POWER/SIGNAL RELAY", Release Time=5ms, RoHS Compliant=Yes, Termination=Solder
S1 S2: library part CMP-011-00013-6, "Tactile Switch, 3x4x2.5mm", Mounting Technology=SMT, Pins=4
SW1: library part CMP-011-00019-3, "Slide switch 2.5"
SW2 SW3 SW4 SW5: library part CMP-011-00022-2, "Keypad Switch, 1 Switches, SPST, Momentary-tactile, 0.05A, 12VDC, 2.06N, Solder Terminal, Surface Mount-right Angle", Contact Current(DC)-Max=50mA, Contact DC Max Rating R Load=.05A@12VDC, Contact Voltage(DC)-Max=12V, Manufacturer Series=TL3340, Max Operating Temperature=85°C, Min Operating Temperature=-35°C, Operating Force-Max=2.06N, Body Breadth=3.4inch, Body Height=3.3mm, Body Length or Diameter=4.49mm, Circuit Configuration=1X1, Electrical Life=100000Cycles, JESD-609 Code=e4, Mounting Technology="Surface Mount", Number of Switches=1, Reach SVHC Compliant=Yes, RoHS Compliant=Yes, Switch Action=MOMENTARY-TACTILE, Switch Function=SPST, Switch Type=Keypad, Terminal Finish=Silver, Termination=Solder
U1: library part CMP-021-00010-2, "Module that supports 2.4 GHz Wi-Fi 6 (802.11ax), Bluetooth® 5 (LE), Zigbee and"